# KiCad board prelude-driver-tail.kicad_pcb (continued)
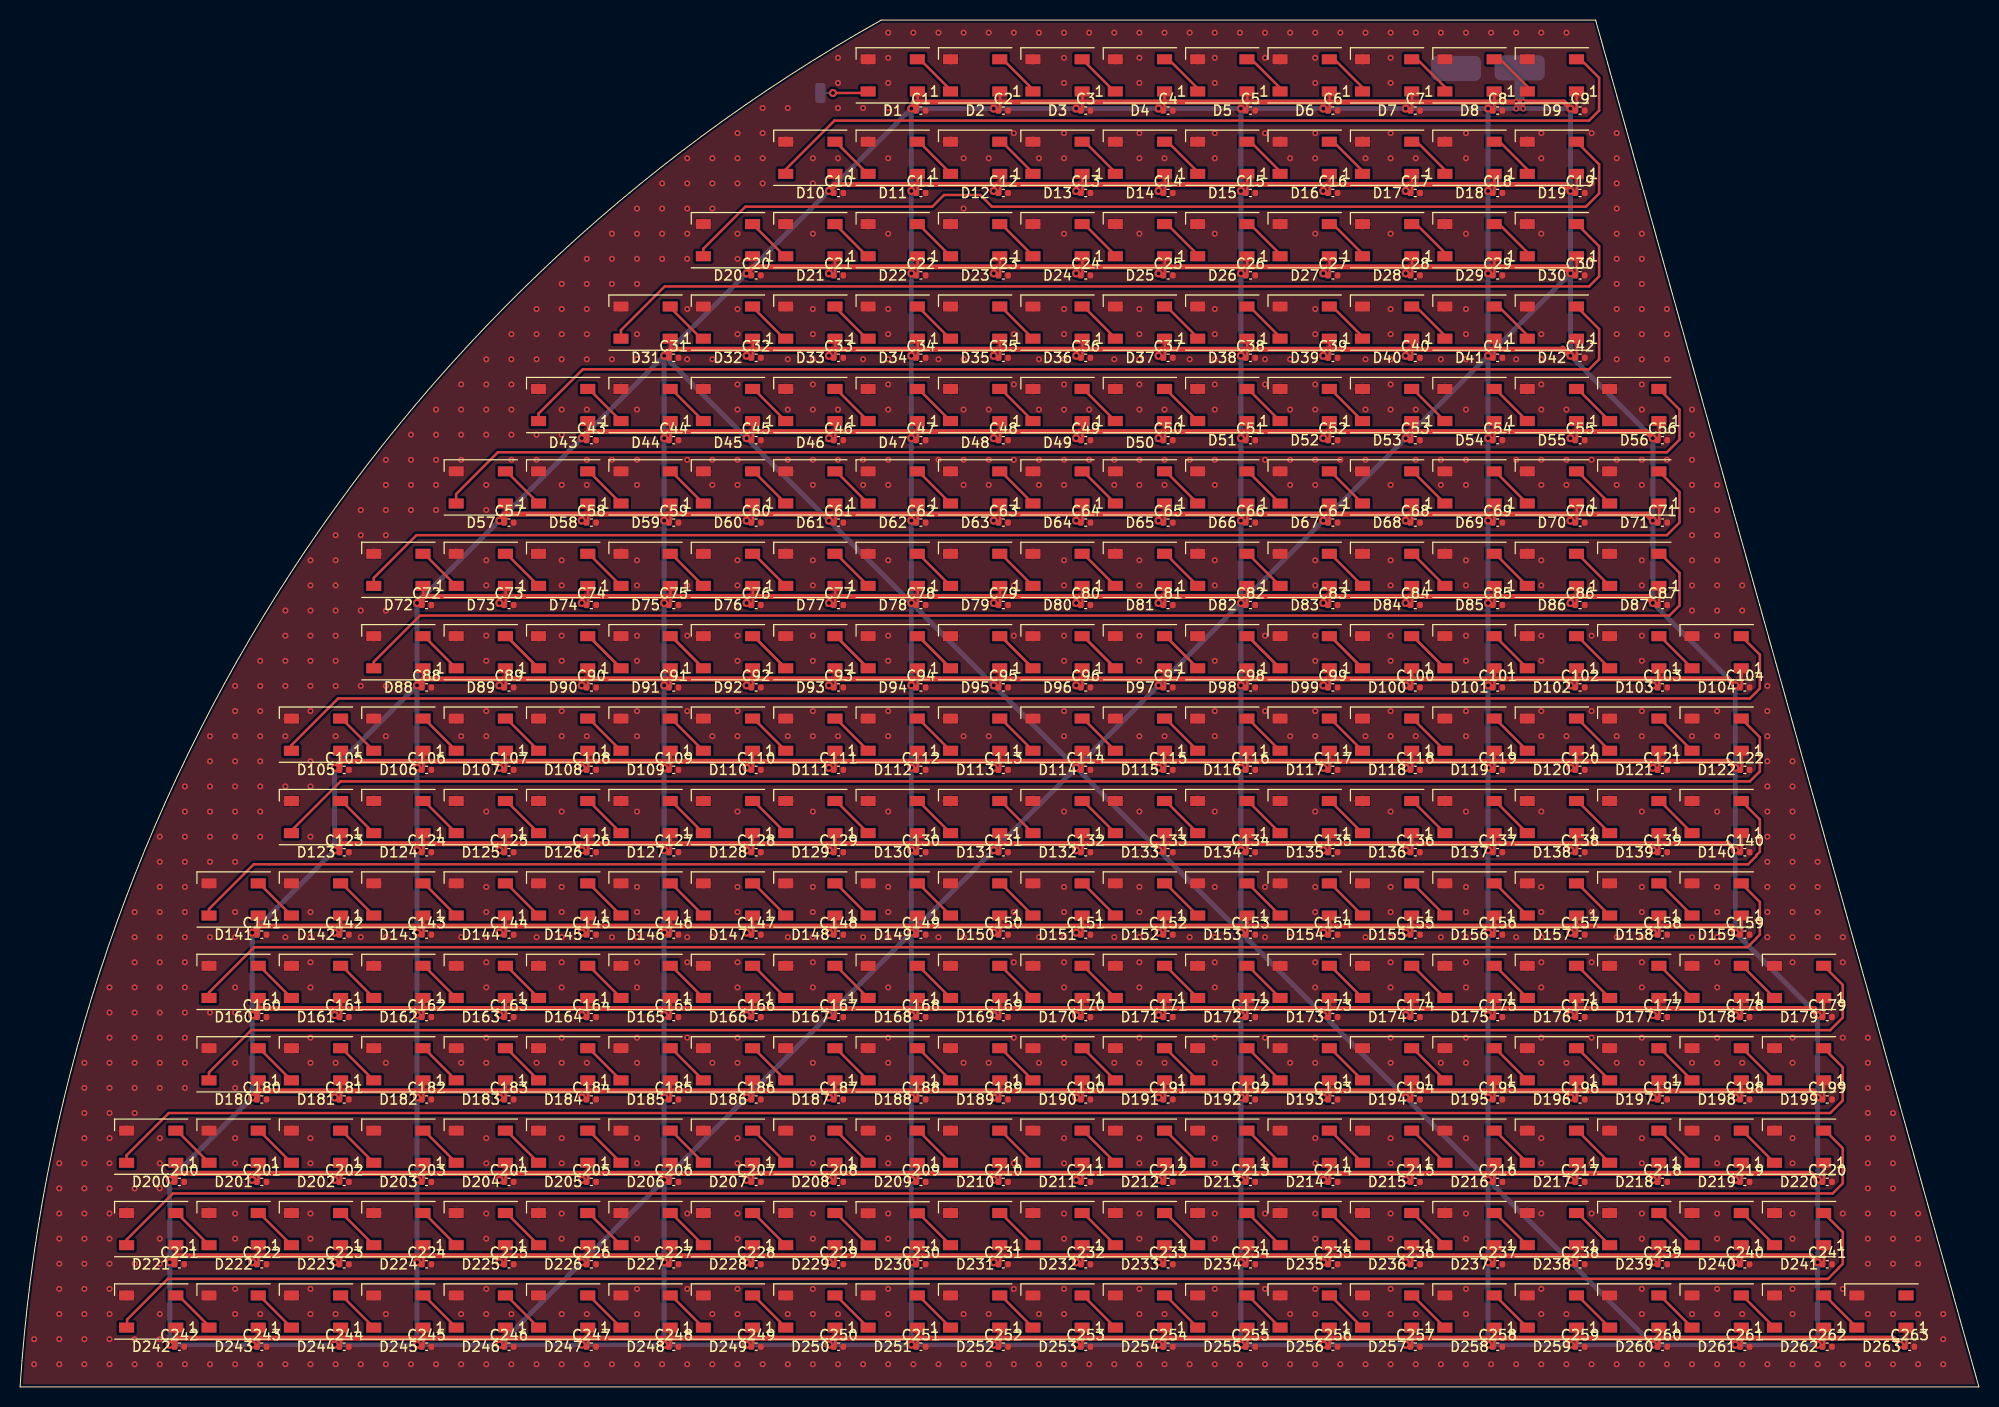
[diagram p0: board, top side]
## Nets (continued)
/DriverBrakeLeds/DRIVER_BRAKE_LED_DIN: D1.4 DIN.1
Net-(D1-Pad2): D1.2 D2.4
Net-(D2-Pad2): D2.2 D3.4
Net-(D3-Pad2): D3.2 D4.4
Net-(D4-Pad2): D4.2 D5.4
Net-(D5-Pad2): D5.2 D6.4
Net-(D6-Pad2): D6.2 D7.4
Net-(D7-Pad2): D7.2 D8.4
Net-(D8-Pad2): D8.2 D9.4
Net-(D10-Pad2): D10.2 D11.4
Net-(D10-Pad4): D9.2 D10.4
Net-(D11-Pad2): D11.2 D12.4
Net-(D12-Pad2): D12.2 D13.4
Net-(D13-Pad2): D13.2 D14.4
Net-(D14-Pad2): D14.2 D15.4
Net-(D15-Pad2): D15.2 D16.4
Net-(D16-Pad2): D16.2 D17.4
Net-(D17-Pad2): D17.2 D18.4
Net-(D18-Pad2): D18.2 D19.4
Net-(D19-Pad2): D19.2 D20.4
Net-(D20-Pad2): D20.2 D21.4
Net-(D21-Pad2): D21.2 D22.4
Net-(D22-Pad2): D22.2 D23.4
Net-(D23-Pad2): D23.2 D24.4
Net-(D24-Pad2): D24.2 D25.4
Net-(D25-Pad2): D25.2 D26.4
Net-(D26-Pad2): D26.2 D27.4
Net-(D27-Pad2): D27.2 D28.4
Net-(D28-Pad2): D28.2 D29.4
Net-(D29-Pad2): D29.2 D30.4
Net-(D30-Pad2): D30.2 D31.4
Net-(D31-Pad2): D31.2 D32.4
Net-(D32-Pad2): D32.2 D33.4
Net-(D33-Pad2): D33.2 D34.4
Net-(D34-Pad2): D34.2 D35.4
Net-(D35-Pad2): D35.2 D36.4
Net-(D36-Pad2): D36.2 D37.4
Net-(D37-Pad2): D37.2 D38.4
Net-(D38-Pad2): D38.2 D39.4
Net-(D39-Pad2): D39.2 D40.4
Net-(D40-Pad2): D40.2 D41.4
Net-(D41-Pad2): D41.2 D42.4
Net-(D42-Pad2): D42.2 D43.4
Net-(D43-Pad2): D43.2 D44.4
Net-(D44-Pad2): D44.2 D45.4
Net-(D45-Pad2): D45.2 D46.4
Net-(D46-Pad2): D46.2 D47.4
Net-(D47-Pad2): D47.2 D48.4
Net-(D48-Pad2): D48.2 D49.4
Net-(D49-Pad2): D49.2 D50.4
Net-(D50-Pad2): D50.2 D51.4
Net-(D51-Pad2): D51.2 D52.4
Net-(D52-Pad2): D52.2 D53.4
Net-(D53-Pad2): D53.2 D54.4
Net-(D54-Pad2): D54.2 D55.4
Net-(D55-Pad2): D55.2 D56.4
Net-(D56-Pad2): D56.2 D57.4
Net-(D57-Pad2): D57.2 D58.4
Net-(D58-Pad2): D58.2 D59.4
Net-(D59-Pad2): D59.2 D60.4
Net-(D60-Pad2): D60.2 D61.4
Net-(D61-Pad2): D61.2 D62.4
Net-(D62-Pad2): D62.2 D63.4
Net-(D63-Pad2): D63.2 D64.4
Net-(D64-Pad2): D64.2 D65.4
Net-(D65-Pad2): D65.2 D66.4
Net-(D66-Pad2): D66.2 D67.4
Net-(D67-Pad2): D67.2 D68.4
Net-(D68-Pad2): D68.2 D69.4
Net-(D69-Pad2): D69.2 D70.4
Net-(D70-Pad2): D70.2 D71.4
Net-(D71-Pad2): D71.2 D72.4
Net-(D72-Pad2): D72.2 D73.4
Net-(D73-Pad2): D73.2 D74.4
Net-(D74-Pad2): D74.2 D75.4
Net-(D75-Pad2): D75.2 D76.4
Net-(D76-Pad2): D76.2 D77.4
Net-(D77-Pad2): D77.2 D78.4
Net-(D78-Pad2): D78.2 D79.4
Net-(D79-Pad2): D79.2 D80.4
Net-(D80-Pad2): D80.2 D81.4
Net-(D81-Pad2): D81.2 D82.4
Net-(D82-Pad2): D82.2 D83.4
Net-(D83-Pad2): D83.2 D84.4
Net-(D84-Pad2): D84.2 D85.4
Net-(D85-Pad2): D85.2 D86.4
Net-(D86-Pad2): D86.2 D87.4
Net-(D87-Pad2): D87.2 D88.4
Net-(D88-Pad2): D88.2 D89.4
Net-(D89-Pad2): D89.2 D90.4
Net-(D90-Pad2): D90.2 D91.4
Net-(D91-Pad2): D91.2 D92.4
Net-(D92-Pad2): D92.2 D93.4
Net-(D93-Pad2): D93.2 D94.4
Net-(D94-Pad2): D94.2 D95.4
Net-(D95-Pad2): D95.2 D96.4
Net-(D96-Pad2): D96.2 D97.4
Net-(D97-Pad2): D97.2 D98.4
Net-(D98-Pad2): D98.2 D99.4
Net-(D100-Pad2): D100.2 D101.4
Net-(D100-Pad4): D99.2 D100.4
Net-(D101-Pad2): D101.2 D102.4
Net-(D102-Pad2): D102.2 D103.4
Net-(D103-Pad2): D103.2 D104.4
Net-(D104-Pad2): D104.2 D105.4
Net-(D105-Pad2): D105.2 D106.4
Net-(D106-Pad2): D106.2 D107.4
Net-(D107-Pad2): D107.2 D108.4
Net-(D108-Pad2): D108.2 D109.4
Net-(D109-Pad2): D109.2 D110.4
Net-(D110-Pad2): D110.2 D111.4
Net-(D111-Pad2): D111.2 D112.4
Net-(D112-Pad2): D112.2 D113.4
Net-(D113-Pad2): D113.2 D114.4
Net-(D114-Pad2): D114.2 D115.4
Net-(D115-Pad2): D115.2 D116.4
Net-(D116-Pad2): D116.2 D117.4
Net-(D117-Pad2): D117.2 D118.4
Net-(D118-Pad2): D118.2 D119.4
Net-(D119-Pad2): D119.2 D120.4
Net-(D120-Pad2): D120.2 D121.4
Net-(D121-Pad2): D121.2 D122.4
Net-(D122-Pad2): D122.2 D123.4
Net-(D123-Pad2): D123.2 D124.4
Net-(D124-Pad2): D124.2 D125.4
Net-(D125-Pad2): D125.2 D126.4
Net-(D126-Pad2): D126.2 D127.4
Net-(D127-Pad2): D127.2 D128.4
Net-(D128-Pad2): D128.2 D129.4
Net-(D129-Pad2): D129.2 D130.4
Net-(D130-Pad2): D130.2 D131.4
Net-(D131-Pad2): D131.2 D132.4
Net-(D132-Pad2): D132.2 D133.4
Net-(D133-Pad2): D133.2 D134.4
Net-(D134-Pad2): D134.2 D135.4
Net-(D135-Pad2): D135.2 D136.4
Net-(D136-Pad2): D136.2 D137.4
Net-(D137-Pad2): D137.2 D138.4
Net-(D138-Pad2): D138.2 D139.4
Net-(D139-Pad2): D139.2 D140.4
Net-(D140-Pad2): D140.2 D141.4
Net-(D141-Pad2): D141.2 D142.4
Net-(D142-Pad2): D142.2 D143.4
Net-(D143-Pad2): D143.2 D144.4
Net-(D144-Pad2): D144.2 D145.4
Net-(D145-Pad2): D145.2 D146.4
Net-(D146-Pad2): D146.2 D147.4
Net-(D147-Pad2): D147.2 D148.4
Net-(D148-Pad2): D148.2 D149.4
Net-(D149-Pad2): D149.2 D150.4
Net-(D150-Pad2): D150.2 D151.4
Net-(D151-Pad2): D151.2 D152.4
Net-(D152-Pad2): D152.2 D153.4
Net-(D153-Pad2): D153.2 D154.4
Net-(D154-Pad2): D154.2 D155.4
Net-(D155-Pad2): D155.2 D156.4
Net-(D156-Pad2): D156.2 D157.4
Net-(D157-Pad2): D157.2 D158.4
Net-(D158-Pad2): D158.2 D159.4
Net-(D159-Pad2): D159.2 D160.4
Net-(D160-Pad2): D160.2 D161.4
Net-(D161-Pad2): D161.2 D162.4
Net-(D162-Pad2): D162.2 D163.4
Net-(D163-Pad2): D163.2 D164.4
Net-(D164-Pad2): D164.2 D165.4
Net-(D165-Pad2): D165.2 D166.4
Net-(D166-Pad2): D166.2 D167.4
Net-(D167-Pad2): D167.2 D168.4
Net-(D168-Pad2): D168.2 D169.4
Net-(D169-Pad2): D169.2 D170.4
Net-(D170-Pad2): D170.2 D171.4
Net-(D171-Pad2): D171.2 D172.4
Net-(D172-Pad2): D172.2 D173.4
Net-(D173-Pad2): D173.2 D174.4
Net-(D174-Pad2): D174.2 D175.4
Net-(D175-Pad2): D175.2 D176.4
Net-(D176-Pad2): D176.2 D177.4
Net-(D177-Pad2): D177.2 D178.4
Net-(D178-Pad2): D178.2 D179.4
Net-(D179-Pad2): D179.2 D180.4
Net-(D180-Pad2): D180.2 D181.4
Net-(D181-Pad2): D181.2 D182.4
Net-(D182-Pad2): D182.2 D183.4
Net-(D183-Pad2): D183.2 D184.4
Net-(D184-Pad2): D184.2 D185.4
Net-(D185-Pad2): D185.2 D186.4
Net-(D186-Pad2): D186.2 D187.4
Net-(D187-Pad2): D187.2 D188.4
Net-(D188-Pad2): D188.2 D189.4
Net-(D189-Pad2): D189.2 D190.4
Net-(D190-Pad2): D190.2 D191.4
Net-(D191-Pad2): D191.2 D192.4
Net-(D192-Pad2): D192.2 D193.4
Net-(D193-Pad2): D193.2 D194.4
Net-(D194-Pad2): D194.2 D195.4
Net-(D195-Pad2): D195.2 D196.4
Net-(D196-Pad2): D196.2 D197.4
Net-(D197-Pad2): D197.2 D198.4
Net-(D198-Pad2): D198.2 D199.4
Net-(D199-Pad2): D199.2 D200.4
Net-(D200-Pad2): D200.2 D201.4
Net-(D201-Pad2): D201.2 D202.4
Net-(D202-Pad2): D202.2 D203.4
Net-(D203-Pad2): D203.2 D204.4
Net-(D204-Pad2): D204.2 D205.4
Net-(D205-Pad2): D205.2 D206.4
Net-(D206-Pad2): D206.2 D207.4
Net-(D207-Pad2): D207.2 D208.4
Net-(D208-Pad2): D208.2 D209.4
Net-(D209-Pad2): D209.2 D210.4
Net-(D210-Pad2): D210.2 D211.4
Net-(D211-Pad2): D211.2 D212.4
Net-(D212-Pad2): D212.2 D213.4
Net-(D213-Pad2): D213.2 D214.4
Net-(D214-Pad2): D214.2 D215.4
Net-(D215-Pad2): D215.2 D216.4
Net-(D216-Pad2): D216.2 D217.4
Net-(D217-Pad2): D217.2 D218.4
Net-(D218-Pad2): D218.2 D219.4
Net-(D219-Pad2): D219.2 D220.4
Net-(D220-Pad2): D220.2 D221.4
Net-(D221-Pad2): D221.2 D222.4
Net-(D222-Pad2): D222.2 D223.4
Net-(D223-Pad2): D223.2 D224.4
Net-(D224-Pad2): D224.2 D225.4
Net-(D225-Pad2): D225.2 D226.4
Net-(D226-Pad2): D226.2 D227.4
Net-(D227-Pad2): D227.2 D228.4
Net-(D228-Pad2): D228.2 D229.4
Net-(D229-Pad2): D229.2 D230.4
Net-(D230-Pad2): D230.2 D231.4
Net-(D231-Pad2): D231.2 D232.4
Net-(D232-Pad2): D232.2 D233.4
Net-(D233-Pad2): D233.2 D234.4
Net-(D234-Pad2): D234.2 D235.4
Net-(D235-Pad2): D235.2 D236.4
Net-(D236-Pad2): D236.2 D237.4
Net-(D237-Pad2): D237.2 D238.4
Net-(D238-Pad2): D238.2 D239.4
Net-(D239-Pad2): D239.2 D240.4
Net-(D240-Pad2): D240.2 D241.4
Net-(D241-Pad2): D241.2 D242.4
Net-(D242-Pad2): D242.2 D243.4
Net-(D243-Pad2): D243.2 D244.4
Net-(D244-Pad2): D244.2 D245.4
Net-(D245-Pad2): D245.2 D246.4
Net-(D246-Pad2): D246.2 D247.4
Net-(D247-Pad2): D247.2 D248.4
Net-(D248-Pad2): D248.2 D249.4
Net-(D249-Pad2): D249.2 D250.4
Net-(D250-Pad2): D250.2 D251.4
Net-(D251-Pad2): D251.2 D252.4
Net-(D252-Pad2): D252.2 D253.4
Net-(D253-Pad2): D253.2 D254.4
Net-(D254-Pad2): D254.2 D255.4
Net-(D255-Pad2): D255.2 D256.4
Net-(D256-Pad2): D256.2 D257.4
Net-(D257-Pad2): D257.2 D258.4
Net-(D258-Pad2): D258.2 D259.4
Net-(D259-Pad2): D259.2 D260.4
Net-(D260-Pad2): D260.2 D261.4
Net-(D261-Pad2): D261.2 D262.4
Net-(D262-Pad2): D262.2 D263.4

Pads without a net: D263 2

## Via types
v1: diameter 0.6, hole 0.3, Top to Bottom, 1028 vias
v2: diameter 0.8, hole 0.4, Top to Bottom, 264 vias

## Routing (per net, layer and track width the routed paths; a pad name or vN(x,y) marks a point on that pad's centre or on a via; arc(x,y) is an arc through that point)
+5V: length 3875.9
  Top w0.25: 113.93,110.6 113.93,112.47 D25.1 ; D220.1 179.53,22.27 179.53,20.4 ; D228.1 72.93,14.07 72.93,12.2 ; D163.1 48.33,38.67 48.33,36.8 ; 64.73,86 64.73,87.87 D59.1 ; D33.1 81.13,104.27 81.13,102.4 ; D209.1 89.33,22.27 89.33,20.4 ; 56.53,20.4 56.53,22.27 D205.1 ; D129.1 81.13,55.07 81.13,53.2 ; 105.73,69.6 105.73,71.47 D96.1 ; D51.1 122.13,96.07 122.13,94.2 ; 171.33,53.2 171.33,55.07 D140.1 ; D95.1 97.53,71.47 97.53,69.6 ; D68.1 138.53,87.87 138.53,86 ; 146.73,36.8 146.73,38.67 D175.1 ; D11.1 89.33,120.67 89.33,118.8 ; D224.1 40.13,14.07 40.13,12.2 ; 171.33,20.4 171.33,22.27 D219.1 ; D154.1 130.33,46.87 130.33,45 ; D30.1 154.93,112.47 154.93,110.6 ; D13.1 105.73,120.67 105.73,118.8 ; D225.1 48.33,14.07 48.33,12.2 ; 122.13,20.4 122.13,22.27 D213.1 ; D263.1 187.73,5.87 187.73,4 ; 113.93,36.8 113.93,38.67 D171.1 ; 48.33,61.4 48.33,63.27 D107.1 ; 163.13,12.2 163.13,14.07 D239.1 ; 48.33,4 48.33,5.87 D246.1 ; D256.1 130.33,5.87 130.33,4 ; D72.1 40.13,79.67 40.13,77.8 ; D104.1 171.33,71.47 171.33,69.6 ; D138.1 154.93,55.07 154.93,53.2 ; D26.1 122.13,112.47 122.13,110.6 ; D131.1 97.53,55.07 97.53,53.2 ; 64.73,53.2 64.73,55.07 D127.1 ; D16.1 130.33,120.67 130.33,118.8 ; D182.1 40.13,30.47 40.13,28.6 ; 146.73,102.4 146.73,104.27 D41.1 ; 113.93,4 113.93,5.87 D254.1 ; D251.1 89.33,5.87 89.33,4 ; 138.53,77.8 138.53,79.67 D84.1 ; 113.93,69.6 113.93,71.47 D97.1 ; 122.13,69.6 122.13,71.47 D98.1 ; 81.13,61.4 81.13,63.27 D111.1 ; 122.13,102.4 122.13,104.27 D38.1 ; 89.33,102.4 89.33,104.27 D34.1 ; D60.1 72.93,87.87 72.93,86 ; 163.13,77.8 163.13,79.67 D87.1 ; D164.1 56.53,38.67 56.53,36.8 ; D161.1 31.93,38.67 31.93,36.8 ; D89.1 48.33,71.47 48.33,69.6 ; D46.1 81.13,96.07 81.13,94.2 ; D141.1 23.73,46.87 23.73,45 ; 105.73,127 105.73,128.87 D3.1 ; D168.1 89.33,38.67 89.33,36.8 ; 113.93,86 113.93,87.87 D65.1 ; D147.1 72.93,46.87 72.93,45 ; 40.13,36.8 40.13,38.67 D162.1 ; D157.1 154.93,46.87 154.93,45 ; 89.33,45 89.33,46.87 D149.1 ; D222.1 23.73,14.07 23.73,12.2 ; D203.1 40.13,22.27 40.13,20.4 ; 179.53,28.6 179.53,30.47 D199.1 ; 15.53,20.4 15.53,22.27 D200.1 ; D134.1 122.13,55.07 122.13,53.2 ; 72.93,94.2 72.93,96.07 D45.1 ; D159.1 171.33,46.87 171.33,45 ; D91.1 64.73,71.47 64.73,69.6 ; D64.1 105.73,87.87 105.73,86 ; 72.93,4 72.93,5.87 D249.1 ; D102.1 154.93,71.47 154.93,69.6 ; 31.93,61.4 31.93,63.27 D105.1 ; D56.1 163.13,96.07 163.13,94.2 ; 56.53,53.2 56.53,55.07 D126.1 ; D241.1 179.53,14.07 179.53,12.2 ; 40.13,61.4 40.13,63.27 D106.1 ; D253.1 105.73,5.87 105.73,4 ; 31.93,28.6 31.93,30.47 D181.1 ; 130.33,28.6 130.33,30.47 D193.1 ; 154.93,61.4 154.93,63.27 D120.1 ; 171.33,28.6 171.33,30.47 D198.1 ; D28.1 138.53,112.47 138.53,110.6 ; D243.1 23.73,5.87 23.73,4 ; D115.1 113.93,63.27 113.93,61.4 ; D53.1 138.53,96.07 138.53,94.2 ; D86.1 154.93,79.67 154.93,77.8 ; 105.73,61.4 105.73,63.27 D114.1 ; 130.33,110.6 130.33,112.47 D27.1 ; 64.73,12.2 64.73,14.07 D227.1 ; D261.1 171.33,5.87 171.33,4 ; D15.1 122.13,120.67 122.13,118.8 ; D234.1 122.13,14.07 122.13,12.2 ; 89.3,14.1 89.33,14.07 89.33,12.2 ; 138.53,4 138.53,5.87 D257.1 ; D262.1 179.53,5.87 179.53,4 ; D132.1 105.73,55.07 105.73,53.2 ; 130.33,86 130.33,87.87 D67.1 ; D233.1 113.93,14.07 113.93,12.2 ; D70.1 154.93,87.87 154.93,86 ; D165.1 64.73,38.67 64.73,36.8 ; 97.53,77.8 97.53,79.67 D79.1 ; 81.13,28.6 81.13,30.47 D187.1 ; D136.1 138.53,55.07 138.53,53.2 ; 146.73,4 146.73,5.87 D258.1 ; 48.33,77.8 48.33,79.67 D73.1 ; 23.73,20.4 23.73,22.27 D201.1 ; D231.1 97.53,14.07 97.53,12.2 ; D116.1 122.13,63.27 122.13,61.4 ; D63.1 97.53,87.87 97.53,86 ; 122.13,77.8 122.13,79.67 D82.1 ; 31.93,53.2 31.93,55.07 D123.1 ; 72.93,77.8 72.93,79.67 D76.1 ; 146.73,53.2 146.73,55.07 D137.1 ; 56.53,77.8 56.53,79.67 D74.1 ; D194.1 138.53,30.47 138.53,28.6 ; D108.1 56.53,63.27 56.53,61.4 ; 72.93,69.6 72.93,71.47 D92.1 ; 163.13,4 163.13,5.87 D260.1 ; 138.53,20.4 138.53,22.27 D215.1 ; D240.1 171.33,14.07 171.33,12.2 ; D62.1 89.33,87.87 89.33,86 ; 130.33,69.6 130.33,71.47 D99.1 ; D250.1 81.13,5.87 81.13,4 ; 48.33,53.2 48.33,55.07 D125.1 ; 105.73,28.6 105.73,30.47 D190.1 ; D78.1 89.33,79.67 89.33,77.8 ; D167.1 81.13,38.67 81.13,36.8 ; 146.73,118.8 146.73,120.67 D18.1 ; 130.33,77.8 130.33,79.67 D83.1 ; 146.73,20.4 146.73,22.27 D216.1 ; 122.13,86 122.13,87.87 D66.1 ; 154.93,118.8 154.93,120.67 D19.1 ; 97.53,4 97.53,5.87 D252.1 ; D113.1 97.53,63.27 97.53,61.4 ; 23.73,36.8 23.73,38.67 D160.1 ; D152.1 113.93,46.87 113.93,45 ; D142.1 31.93,46.87 31.93,45 ; D245.1 40.13,5.87 40.13,4 ; D189.1 97.53,30.47 97.53,28.6 ; 40.13,45 40.13,46.87 D143.1 ; 56.53,12.2 56.53,14.07 D226.1 ; D14.1 113.93,120.67 113.93,118.8 ; D244.1 31.93,5.87 31.93,4 ; D118.1 138.53,63.27 138.53,61.4 ; 56.53,94.2 56.53,96.07 D43.1 ; 146.73,28.6 146.73,30.47 D195.1 ; D50.1 113.93,96.07 113.93,94.2 ; D248.1 64.73,5.87 64.73,4 ; D212.1 113.93,22.27 113.93,20.4 ; D54.1 146.73,96.07 146.73,94.2 ; D170.1 105.73,38.67 105.73,36.8 ; D169.1 97.53,38.67 97.53,36.8 ; D42.1 154.93,104.27 154.93,102.4 ; 48.33,28.6 48.33,30.47 D183.1 ; D117.1 130.33,63.27 130.33,61.4 ; D204.1 48.33,22.27 48.33,20.4 ; 105.73,110.6 105.73,112.47 D24.1 ; D247.1 56.53,5.87 56.53,4 ; 138.53,45 138.53,46.87 D155.1 ; 130.33,36.8 130.33,38.67 D173.1 ; 105.73,12.2 105.73,14.07 D232.1 ; D191.1 113.93,30.47 113.93,28.6 ; D172.1 122.13,38.67 122.13,36.8 ; 81.13,20.4 81.13,22.27 D208.1 ; D150.1 97.53,46.87 97.53,45 ; D242.1 15.53,5.87 15.53,4 ; D221.1 15.53,14.07 15.53,12.2 ; D214.1 130.33,22.27 130.33,20.4 ; D185.1 64.73,30.47 64.73,28.6 ; 146.73,69.6 146.73,71.47 D101.1 ; 163.13,36.8 163.13,38.67 D177.1 ; D237.1 146.73,14.07 146.73,12.2 ; D110.1 72.93,63.27 72.93,61.4 ; 154.93,20.4 154.93,22.27 D217.1 ; D31.1 64.73,104.27 64.73,102.4 ; D197.1 163.13,30.47 163.13,28.6 ; 138.53,36.8 138.53,38.67 D174.1 ; 48.33,86 48.33,87.87 D57.1 ; D235.1 130.33,14.07 130.33,12.2 ; D196.1 154.93,30.47 154.93,28.6 ; D100.1 138.53,71.47 138.53,69.6 ; D112.1 89.33,63.27 89.33,61.4 ; 56.53,45 56.53,46.87 D145.1 ; D17.1 138.53,120.67 138.53,118.8 ; D55.1 154.93,96.07 154.93,94.2 ; 130.33,94.2 130.33,96.07 D52.1 ; 105.73,45 105.73,46.87 D151.1 ; D139.1 163.13,55.07 163.13,53.2 ; 163.13,20.4 163.13,22.27 D218.1 ; 154.93,4 154.93,5.87 D259.1 ; 89.33,94.2 89.33,96.07 D47.1 ; D128.1 72.93,55.07 72.93,53.2 ; D85.1 146.73,79.67 146.73,77.8 ; 105.73,102.4 105.73,104.27 D36.1 ; 64.73,94.2 64.73,96.07 D44.1 ; D39.1 130.33,104.27 130.33,102.4 ; 23.73,28.6 23.73,30.47 D180.1 ; 113.93,77.8 113.93,79.67 D81.1 ; D29.1 146.73,112.47 146.73,110.6 ; D77.1 81.13,79.67 81.13,77.8 ; 97.53,94.2 97.53,96.07 D48.1 ; D75.1 64.73,79.67 64.73,77.8 ; D156.1 146.73,46.87 146.73,45 ; 81.13,45 81.13,46.87 D148.1 ; 56.53,86 56.53,87.87 D58.1 ; 89.33,110.6 89.33,112.47 D22.1 ; D35.1 97.53,104.27 97.53,102.4 ; D238.1 154.93,14.07 154.93,12.2 ; D133.1 113.93,55.07 113.93,53.2 ; 72.93,28.6 72.93,30.47 D186.1 ; 146.73,127 146.73,128.87 D8.1 ; D88.1 40.13,71.47 40.13,69.6 ; D119.1 146.73,63.27 146.73,61.4 ; 130.33,53.2 130.33,55.07 D135.1 ; 122.13,28.6 122.13,30.47 D192.1 ; D223.1 31.93,14.07 31.93,12.2 ; 72.93,20.4 72.93,22.27 D207.1 ; 163.13,86 163.13,87.87 D71.1 ; 64.73,20.4 64.73,22.27 D206.1 ; 138.53,12.2 138.53,14.07 D236.1 ; 138.53,102.4 138.53,104.27 D40.1 ; D146.1 64.73,46.87 64.73,45 ; D12.1 97.53,120.67 97.53,118.8 ; D176.1 154.93,38.67 154.93,36.8 ; 89.33,28.6 89.33,30.47 D188.1 ; 163.13,61.4 163.13,63.27 D121.1 ; 171.33,61.4 171.33,63.27 D122.1 ; D184.1 56.53,30.47 56.53,28.6 ; 130.33,127 130.33,128.87 ; 97.53,127 97.53,128.87 D2.1 ; 89.33,69.6 89.33,71.47 D94.1 ; D166.1 72.93,38.67 72.93,36.8 ; D229.1 81.13,14.07 81.13,12.2 ; 154.93,127 154.93,128.87 D9.1 ; D210.1 97.53,22.27 97.53,20.4 ; D255.1 122.13,5.87 122.13,4 ; 122.13,45 122.13,46.87 D153.1 ; 113.9,126.9 113.9,128.77 ; D37.1 113.93,104.27 113.93,102.4 ; D144.1 48.33,46.87 48.33,45 ; D93.1 81.13,71.47 81.13,69.6 ; D7.1 138.53,128.87 138.53,127 ; 31.93,20.4 31.93,22.27 D202.1 ; 179.53,36.8 179.53,38.67 D179.1 ; 163.13,45 163.13,46.87 D158.1 ; D124.1 40.13,55.07 40.13,53.2 ; D178.1 171.33,38.67 171.33,36.8 ; 64.73,61.4 64.73,63.27 D109.1 ; 89.33,127 89.33,128.87 D1.1 ; 97.53,110.6 97.53,112.47 D23.1 ; 72.93,102.4 72.93,104.27 D32.1 ; 105.73,94.2 105.73,96.07 D49.1 ; 105.73,20.4 105.73,22.27 D211.1 ; 56.53,69.6 56.53,71.47 D90.1 ; D130.1 89.33,55.07 89.33,53.2 ; D103.1 163.13,71.47 163.13,69.6 ; 81.1,110.47 81.1,112.34 ; 122.13,127 122.13,128.87 ; 81.15,86.06 81.15,87.94 ; D80.1 105.73,79.67 105.73,77.8 ; 146.73,86 146.73,87.87 D69.1
  Top w0.5: 169.81,70.45 40.15,70.45 v2(39.5,69.8) ; 169.93,62.37 v2(170.7,61.6) ; 56.6,95.05 161.8,95.05 ; 153.87,119.43 v2(154.3,119) ; v2(178.9,28.8) 178.47,29.23 ; 15.33,12.83 v2(14.9,12.4) ; 162.24,78.65 40.1,78.65 40.1,78.6 v2(39.5,78) ; v2(178.9,12.4) 178.25,13.05 15.38,13.05 15.33,13 ; v2(170.7,45.2) 170.27,45.63 ; v2(23.1,45.2) 23.7,45.8 23.7,45.85 170.44,45.85 ; v2(64.1,102.6) 64.75,103.25 153.41,103.25 ; 169.93,70.57 v2(170.7,69.8) ; 48.13,86.85 162.07,86.85 ; v2(31.3,53.4) 31.95,54.05 169.81,54.05 ; 178.47,37.43 v2(178.9,37) ; 154.04,111.45 72.9,111.45 72.9,111.4 v2(72.3,110.8) ; 178.54,29.45 23.6,29.45 23.6,29.3 v2(23.1,28.8) ; 169.93,54.17 v2(170.7,53.4) ; v2(178.9,20.6) 178.25,21.25 15.55,21.25 v2(14.9,20.6) ; v2(187.1,4.2) 186.45,4.85 15.55,4.85 v2(14.9,4.2) ; 178.64,37.65 23.7,37.65 23.7,37.6 v2(23.1,37) ; 162.07,78.43 v2(162.5,78) ; v2(88.7,127.2) 89.13,127.63 ; v2(31.3,61.6) 31.95,62.25 169.81,62.25 ; 81.03,119.65 153.97,119.65 ; v2(47.7,86.2) 48.13,86.63 ; 88.91,127.85 153.65,127.85 v2(154.3,127.2) ; 153.53,103.37 v2(154.3,102.6) ; v2(55.9,94.4) 56.6,95.1 ; 162.07,86.63 v2(162.5,86.2) ; v2(80.5,119) 80.93,119.43 ; 153.87,111.23 v2(154.3,110.8) ; 161.8,95.1 v2(162.5,94.4)
  Bottom w0.5: v2(88.7,127.2) v2(39.5,78) v2(39.5,69.8) ; v2(88.7,127.2) v2(88.7,4.2) ; v2(88.7,127.2) v2(154.3,127.2) v2(154.3,102.6) v2(162.5,94.4) v2(162.5,78) v2(170.7,69.8) v2(170.7,45.2) v2(178.9,37) v2(178.9,12.4) v2(178.9,4.2) v2(14.9,4.2) v2(14.9,20.6) v2(23.1,28.8) v2(23.1,45.2) v2(31.3,53.4) v2(31.3,61.6) v2(39.5,69.8) ; v2(146.1,4.2) v2(146.1,127.2) ; v2(154.3,110.8) v2(47.7,4.2) ; v2(39.5,69.8) v2(39.5,4.2) ; v2(121.5,4.2) v2(121.5,127.2) ; v2(162.5,4.2) v2(64.1,102.6) v2(64.1,4.2)
  Bottom w1: 5V.1 149.25,127.5
  vias: v1(148.9,127.85) v1(148.9,127.2) v1(149.6,127.85) v1(149.6,127.2) v2(23.1,20.6) v2(23.1,12.4) v2(23.1,4.2) v2(31.3,45.2) v2(31.3,37) v2(31.3,28.8) v2(31.3,20.6) v2(31.3,12.4) v2(31.3,4.2) v2(39.5,61.6) v2(39.5,53.4) v2(39.5,45.2) v2(39.5,37) v2(39.5,28.8) v2(39.5,20.6) v2(39.5,12.4) v2(47.7,78) v2(47.7,69.8) v2(47.7,61.6) v2(47.7,53.4) v2(47.7,45.2) v2(47.7,37) v2(47.7,28.8) v2(47.7,20.6) v2(47.7,12.4) v2(55.9,86.2) v2(55.9,78) v2(55.9,69.8) v2(55.9,61.6) v2(55.9,53.4) v2(55.9,45.2) v2(55.9,37) v2(55.9,28.8) v2(55.9,20.6) v2(55.9,12.4) v2(55.9,4.2) v2(64.1,94.4) v2(64.1,86.2) v2(64.1,78) v2(64.1,69.8) v2(64.1,61.6) v2(64.1,53.4) v2(64.1,45.2) v2(64.1,37) v2(64.1,28.8) v2(64.1,20.6) v2(64.1,12.4) v2(72.3,102.6) v2(72.3,94.4) v2(72.3,86.2) v2(72.3,78) v2(72.3,69.8) v2(72.3,61.6) v2(72.3,53.4) v2(72.3,45.2) v2(72.3,37) v2(72.3,28.8) v2(72.3,20.6) v2(72.3,12.4) v2(72.3,4.2) v2(80.5,110.8) v2(80.5,102.6) v2(80.5,94.4) v2(80.5,86.2) v2(80.5,78) v2(80.5,69.8) v2(80.5,61.6) v2(80.5,53.4) v2(80.5,45.2) v2(80.5,37) v2(80.5,28.8) v2(80.5,20.6) v2(80.5,12.4) v2(80.5,4.2) v2(88.7,119) v2(88.7,110.8) v2(88.7,102.6) v2(88.7,94.4) v2(88.7,86.2) v2(88.7,78) v2(88.7,69.8) v2(88.7,61.6) v2(88.7,53.4) v2(88.7,45.2) v2(88.7,37) v2(88.7,28.8) v2(88.7,20.6) v2(88.7,12.4) v2(96.9,127.2) v2(96.9,119) v2(96.9,110.8) v2(96.9,102.6) v2(96.9,94.4) v2(96.9,86.2) v2(96.9,78) v2(96.9,69.8) v2(96.9,61.6) v2(96.9,53.4) v2(96.9,45.2) v2(96.9,37) v2(96.9,28.8) v2(96.9,20.6) v2(96.9,12.4) v2(96.9,4.2) v2(105.1,127.2) v2(105.1,119) v2(105.1,110.8) v2(105.1,102.6) v2(105.1,94.4) v2(105.1,86.2) v2(105.1,78) v2(105.1,69.8) v2(105.1,61.6) v2(105.1,53.4) v2(105.1,45.2) v2(105.1,37) v2(105.1,28.8) v2(105.1,20.6) v2(105.1,12.4) v2(105.1,4.2) v2(113.3,127.2) v2(113.3,119) v2(113.3,110.8) v2(113.3,102.6) v2(113.3,94.4) v2(113.3,86.2) v2(113.3,78) v2(113.3,69.8) v2(113.3,61.6) v2(113.3,53.4) v2(113.3,45.2) v2(113.3,37) v2(113.3,28.8) v2(113.3,20.6) v2(113.3,12.4) v2(113.3,4.2) v2(121.5,119) v2(121.5,110.8) v2(121.5,102.6) v2(121.5,94.4) v2(121.5,86.2) v2(121.5,78) v2(121.5,69.8) v2(121.5,61.6) v2(121.5,53.4) v2(121.5,45.2) v2(121.5,37) v2(121.5,28.8) v2(121.5,20.6) v2(121.5,12.4) v2(129.7,127.2) v2(129.7,119) v2(129.7,110.8) v2(129.7,102.6) v2(129.7,94.4) v2(129.7,86.2) v2(129.7,78) v2(129.7,69.8) v2(129.7,61.6) v2(129.7,53.4) v2(129.7,45.2) v2(129.7,37) v2(129.7,28.8) v2(129.7,20.6) v2(129.7,12.4) v2(129.7,4.2) v2(137.9,127.2) v2(137.9,119) v2(137.9,110.8) v2(137.9,102.6) v2(137.9,94.4) v2(137.9,86.2) v2(137.9,78) v2(137.9,69.8) v2(137.9,61.6) v2(137.9,53.4) v2(137.9,45.2) v2(137.9,37) v2(137.9,28.8) v2(137.9,20.6) v2(137.9,12.4) v2(137.9,4.2) v2(146.1,119) v2(146.1,110.8) v2(146.1,102.6) v2(146.1,94.4) v2(146.1,86.2) v2(146.1,78) v2(146.1,69.8) v2(146.1,61.6) v2(146.1,53.4) v2(146.1,45.2) v2(146.1,37) v2(146.1,28.8) v2(146.1,20.6) v2(146.1,12.4) v2(154.3,94.4) v2(154.3,86.2) v2(154.3,78) v2(154.3,69.8) v2(154.3,61.6) v2(154.3,53.4) v2(154.3,45.2) v2(154.3,37) v2(154.3,28.8) v2(154.3,20.6) v2(154.3,12.4) v2(154.3,4.2) v2(162.5,69.8) v2(162.5,61.6) v2(162.5,53.4) v2(162.5,45.2) v2(162.5,37) v2(162.5,28.8) v2(162.5,20.6) v2(162.5,12.4) v2(170.7,37) v2(170.7,28.8) v2(170.7,20.6) v2(170.7,12.4) v2(170.7,4.2)
